# Altium PCB MB1292.PcbDoc (part 1 of 4) (continued)
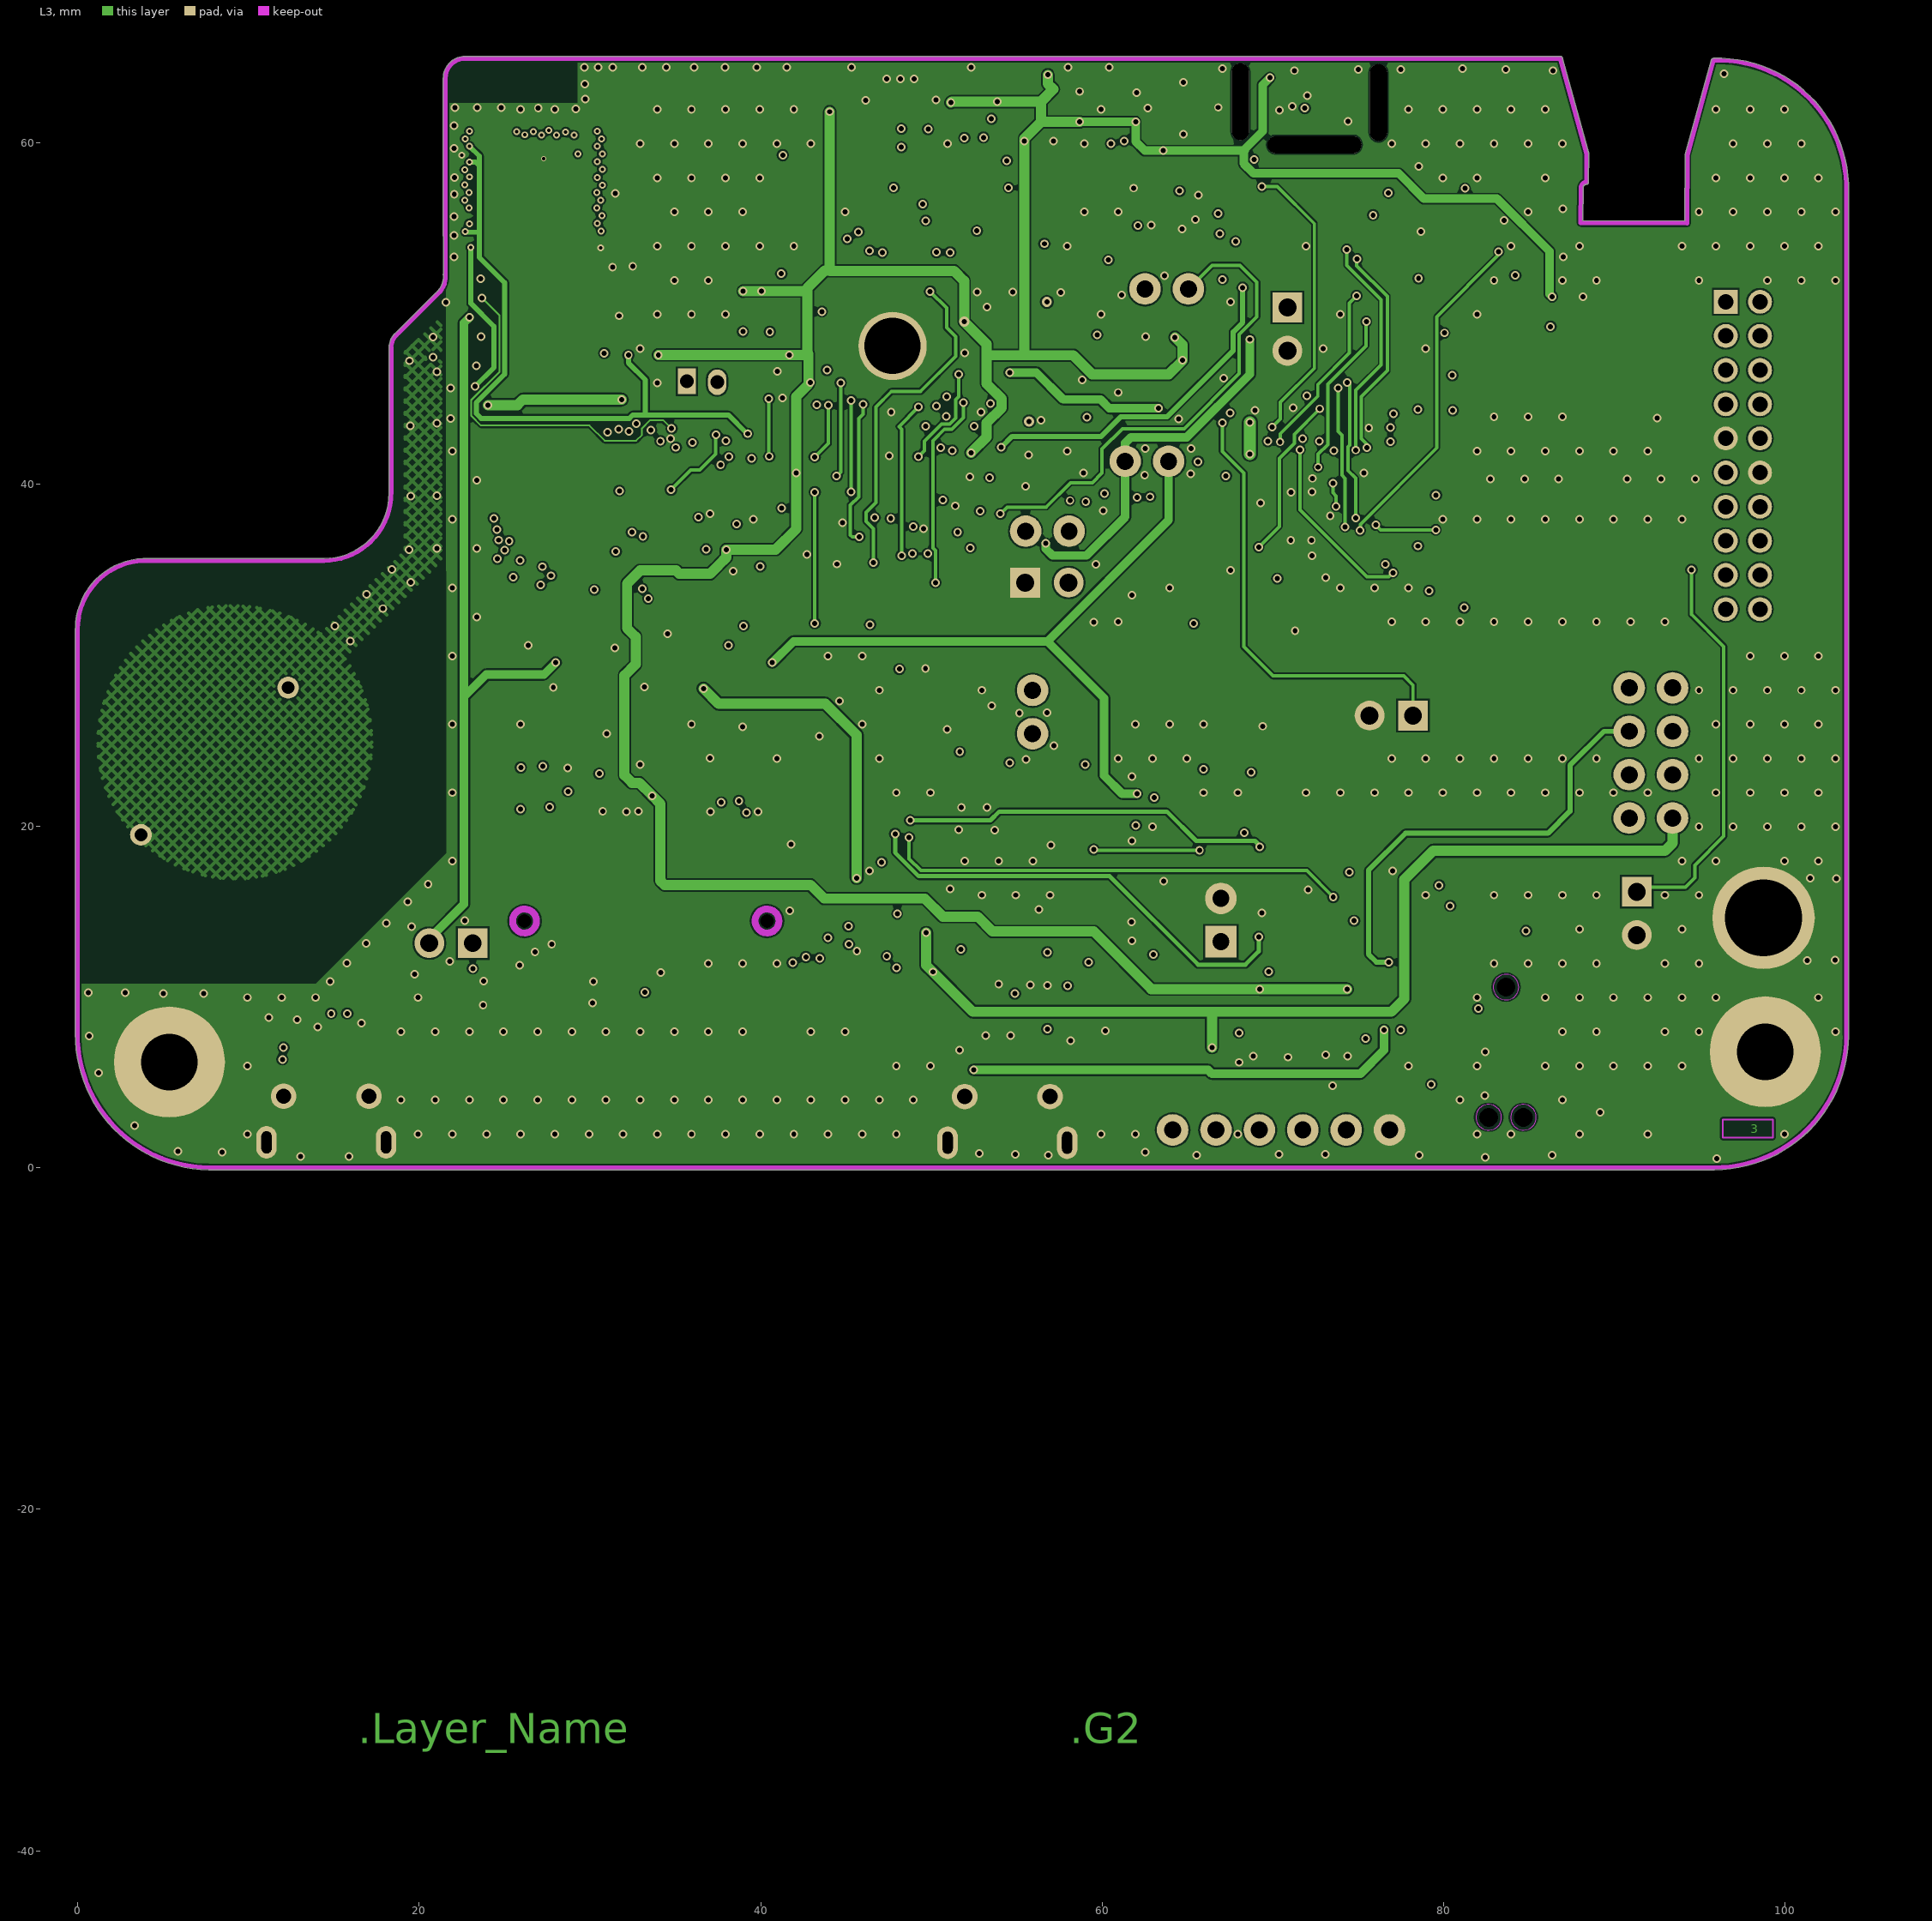
[diagram p3: L3]
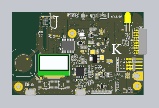
[diagram p7: 3D render of the assembled board from above, using the file's embedded part models]
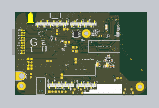
[diagram p8: 3D render of the assembled board from below, using the file's embedded part models]

## Layer stack, top to bottom
Top Solder: solder mask 0.015, Solder Resist, Dk 3.5
L1: signal copper 0.035
Dielectric 1: core 0.07, FR-4, Dk 4.2
L2: signal copper 0.036
Dielectric 3: prepreg 1.23, Dk 4.2
L3: signal copper 0.036
Dielectric 2: core 0.07, Dk 4.2
L4: signal copper 0.035
Bottom Solder: solder mask 0.015, Solder Resist, Dk 3.5

## Board outline
-0.128,7.874 cw(c0,7.889) -0.128,7.889 -0.128,31.541 cw(c0,31.541) -0.117,31.594 cw(c4.01,31.54) 4.185,35.663 14.427,35.663 cw(c14.427,35.536) 14.463,35.658 ccw(c14.416,39.48) 18.239,39.48 cw(c18.366,39.48) 18.241,39.505 18.241,48.027 cw(c18.369,48.027) 18.241,48.029 cw(c19.404,48.01) 18.712,48.944 20.981,51.214 cw(c21.071,51.124) 20.989,51.221 ccw(c20.189,52.162) 21.421,52.069 21.421,52.255 ccw(c20.189,52.162) 21.419,52.273 cw(c21.546,52.284) 21.421,52.307 21.421,54.547 cw(c21.548,54.563) 21.42,54.563 21.42,63.802 cw(c21.548,63.802) 21.421,63.82 cw(c22.682,63.795) 22.673,65.057 cw(c22.689,64.93) 22.689,65.058 86.833,65.058 cw(c86.833,64.93) 86.961,64.93 cw(c86.833,64.93) 86.96,64.91 88.468,59.472 cw(c88.361,59.401) 88.489,59.401 cw(c88.361,59.401) 88.489,59.4 88.489,59.395 cw(c88.365,59.363) 88.493,59.363 cw(c88.365,59.363) 88.489,59.33 88.48,57.697 cw(c88.352,57.698) 88.339,57.57 ccw(c88.35,57.382) 88.162,57.395 cw(c88.034,57.384) 88.162,57.384 cw(c88.034,57.384) 88.162,57.382 88.138,55.439 94.127,55.419 94.142,59.306 cw(c94.27,59.305) 94.147,59.34 95.677,64.856 cw(c95.8,64.822) 95.709,64.912 cw(c95.801,64.824) 95.796,64.951 cw(c96.068,57.318) 103.701,57.607 cw(c103.574,57.586) 103.702,57.586 103.702,7.729 cw(c103.574,7.729) 103.701,7.713 cw(c95.839,7.734) 95.85,-0.127 cw(c95.834,0) 95.834,-0.128 7.706,-0.128 cw(c7.706,0) 7.688,-0.127 cw(c7.798,7.797)

## Design rules (kind name [scope] priority, off if disabled: settings)
Clearance [All] p1: gap=0.1 ignorepadtopadclearanceinfootprint=FALSE
ComponentClearance [All] p1: gap=0.2 collisioncheckmode=3 verticalgap=0.2 showdistances=FALSE
DiffPairsRouting [All] p1: maxlimit=0.1 minlimit=0.1 mostfreqgap=0.1 substack1={2ADB4202-F3BE-4CB7-8FF7-9CB8365D755D} toplayer_{2adb4202-f3be-4cb7-8ff7-9cb8365d755d}_minwidth=0.381 toplayer_{2adb4202-f3be-4cb7-8ff7-9cb8365d755d}_maxwidth=0.381 toplayer_{2adb4202-f3be-4cb7-8ff7-9cb8365d755d}_prefwidth=0.381 midlayer1_{2adb4202-f3be-4cb7-8ff7-9cb8365d755d}_minwidth=0.381 midlayer1_{2adb4202-f3be-4cb7-8ff7-9cb8365d755d}_maxwidth=0.381 midlayer1_{2adb4202-f3be-4cb7-8ff7-9cb8365d755d}_prefwidth=0.381 midlayer2_{2adb4202-f3be-4cb7-8ff7-9cb8365d755d}_minwidth=0.381 midlayer2_{2adb4202-f3be-4cb7-8ff7-9cb8365d755d}_maxwidth=0.381 midlayer2_{2adb4202-f3be-4cb7-8ff7-9cb8365d755d}_prefwidth=0.381 bottomlayer_{2adb4202-f3be-4cb7-8ff7-9cb8365d755d}_minwidth=0.381 bottomlayer_{2adb4202-f3be-4cb7-8ff7-9cb8365d755d}_maxwidth=0.381 bottomlayer_{2adb4202-f3be-4cb7-8ff7-9cb8365d755d}_prefwidth=0.381 toplayer_minwidth=0.12 toplayer_maxwidth=0.12 toplayer_prefwidth=0.12 midlayer1_minwidth=0.12 midlayer1_maxwidth=0.12 midlayer1_prefwidth=0.12 midlayer2_minwidth=0.12 midlayer2_maxwidth=0.12 midlayer2_prefwidth=0.12 bottomlayer_minwidth=0.12 bottomlayer_maxwidth=0.12 bottomlayer_prefwidth=0.12 substack2={CF501492-65DB-46F5-A4C6-9BC82C8B0C8E} toplayer_{cf501492-65db-46f5-a4c6-9bc82c8b0c8e}_minwidth=0.381 toplayer_{cf501492-65db-46f5-a4c6-9bc82c8b0c8e}_maxwidth=0.381 toplayer_{cf501492-65db-46f5-a4c6-9bc82c8b0c8e}_prefwidth=0.381 midlayer1_{cf501492-65db-46f5-a4c6-9bc82c8b0c8e}_minwidth=0.381 midlayer1_{cf501492-65db-46f5-a4c6-9bc82c8b0c8e}_maxwidth=0.381 midlayer1_{cf501492-65db-46f5-a4c6-9bc82c8b0c8e}_prefwidth=0.381 midlayer2_{cf501492-65db-46f5-a4c6-9bc82c8b0c8e}_minwidth=0.381 midlayer2_{cf501492-65db-46f5-a4c6-9bc82c8b0c8e}_maxwidth=0.381 midlayer2_{cf501492-65db-46f5-a4c6-9bc82c8b0c8e}_prefwidth=0.381 bottomlayer_{cf501492-65db-46f5-a4c6-9bc82c8b0c8e}_minwidth=0.381 bottomlayer_{cf501492-65db-46f5-a4c6-9bc82c8b0c8e}_maxwidth=0.381 bottomlayer_{cf501492-65db-46f5-a4c6-9bc82c8b0c8e}_prefwidth=0.381 substack3={FF1CA205-9B6F-49DA-B112-41FA7F36E0C2} toplayer_{ff1ca205-9b6f-49da-b112-41fa7f36e0c2}_minwidth=0.381 toplayer_{ff1ca205-9b6f-49da-b112-41fa7f36e0c2}_maxwidth=0.381 toplayer_{ff1ca205-9b6f-49da-b112-41fa7f36e0c2}_prefwidth=0.381 midlayer1_{ff1ca205-9b6f-49da-b112-41fa7f36e0c2}_minwidth=0.381 midlayer1_{ff1ca205-9b6f-49da-b112-41fa7f36e0c2}_maxwidth=0.381 midlayer1_{ff1ca205-9b6f-49da-b112-41fa7f36e0c2}_prefwidth=0.381 midlayer2_{ff1ca205-9b6f-49da-b112-41fa7f36e0c2}_minwidth=0.381 midlayer2_{ff1ca205-9b6f-49da-b112-41fa7f36e0c2}_maxwidth=0.381 midlayer2_{ff1ca205-9b6f-49da-b112-41fa7f36e0c2}_prefwidth=0.381 bottomlayer_{ff1ca205-9b6f-49da-b112-41fa7f36e0c2}_minwidth=0.381 bottomlayer_{ff1ca205-9b6f-49da-b112-41fa7f36e0c2}_maxwidth=0.381 bottomlayer_{ff1ca205-9b6f-49da-b112-41fa7f36e0c2}_prefwidth=0.381 substack4={4738C836-5CFE-4456-A7F7-B94C0B689EA7} toplayer_{4738c836-5cfe-4456-a7f7-b94c0b689ea7}_minwidth=0.381 toplayer_{4738c836-5cfe-4456-a7f7-b94c0b689ea7}_maxwidth=0.381 toplayer_{4738c836-5cfe-4456-a7f7-b94c0b689ea7}_prefwidth=0.381 midlayer1_{4738c836-5cfe-4456-a7f7-b94c0b689ea7}_minwidth=0.381 midlayer1_{4738c836-5cfe-4456-a7f7-b94c0b689ea7}_maxwidth=0.381 midlayer1_{4738c836-5cfe-4456-a7f7-b94c0b689ea7}_prefwidth=0.381 midlayer2_{4738c836-5cfe-4456-a7f7-b94c0b689ea7}_minwidth=0.381 midlayer2_{4738c836-5cfe-4456-a7f7-b94c0b689ea7}_maxwidth=0.381 midlayer2_{4738c836-5cfe-4456-a7f7-b94c0b689ea7}_prefwidth=0.381 bottomlayer_{4738c836-5cfe-4456-a7f7-b94c0b689ea7}_minwidth=0.381 bottomlayer_{4738c836-5cfe-4456-a7f7-b94c0b689ea7}_maxwidth=0.381 bottomlayer_{4738c836-5cfe-4456-a7f7-b94c0b689ea7}_prefwidth=0.381 substack5={F97D49E6-8A1D-45C2-B7C4-865E22F1F751} toplayer_{f97d49e6-8a1d-45c2-b7c4-865e22f1f751}_minwidth=0.381 toplayer_{f97d49e6-8a1d-45c2-b7c4-865e22f1f751}_maxwidth=0.381 toplayer_{f97d49e6-8a1d-45c2-b7c4-865e22f1f751}_prefwidth=0.381 midlayer1_{f97d49e6-8a1d-45c2-b7c4-865e22f1f751}_minwidth=0.381 midlayer1_{f97d49e6-8a1d-45c2-b7c4-865e22f1f751}_maxwidth=0.381 midlayer1_{f97d49e6-8a1d-45c2-b7c4-865e22f1f751}_prefwidth=0.381 midlayer2_{f97d49e6-8a1d-45c2-b7c4-865e22f1f751}_minwidth=0.381 midlayer2_{f97d49e6-8a1d-45c2-b7c4-865e22f1f751}_maxwidth=0.381 midlayer2_{f97d49e6-8a1d-45c2-b7c4-865e22f1f751}_prefwidth=0.381 bottomlayer_{f97d49e6-8a1d-45c2-b7c4-865e22f1f751}_minwidth=0.381 bottomlayer_{f97d49e6-8a1d-45c2-b7c4-865e22f1f751}_maxwidth=0.381 bottomlayer_{f97d49e6-8a1d-45c2-b7c4-865e22f1f751}_prefwidth=0.381 maxuncoupledlength=12.7
HoleSize [All] p1: absolutevalues=TRUE maxlimit=10 minlimit=0.025 maxpercent=80.000 minpercent=20.000
MinimumSolderMaskSliver [All] p1: minsoldermaskwidth=0.1
PlaneConnect [All] p1: planeconnectstyle=Relief reliefexpansion=0.508 reliefentries=4 reliefconductorwidth=0.21 reliefairgap=0.21
PolygonConnect PolygonConnect_via [IsVia] p1: connectstyle=Direct reliefconductorwidth=0.254 reliefentries=4 polygonreliefangle="90 Angle" airgapwidth=0.254
PolygonConnect [All] p2: connectstyle=Direct reliefconductorwidth=0.2 reliefentries=4 polygonreliefangle="90 Angle" airgapwidth=0.2
RoutingVias [All] p1: holewidth=0.3 width=0.5 viastyle="Through Hole" minholewidth=0.1 minwidth=0.2 maxholewidth=0.5 maxwidth=0.5
SilkToSilkClearance [All] p1: silktosilkclearance=0.2
SilkToSolderMaskClearance [IsPad] p1: minsilkscreentomaskgap=0.2 clearancetoexposedcopper=TRUE
SolderMaskExpansion [All] p1: expansion=0.102 istentingtop=FALSE
Width [All] p1: maxlimit=2 minlimit=0.1 preferedwidth=0.2 substack1={2ADB4202-F3BE-4CB7-8FF7-9CB8365D755D} substack2={CF501492-65DB-46F5-A4C6-9BC82C8B0C8E} substack3={FF1CA205-9B6F-49DA-B112-41FA7F36E0C2} substack4={4738C836-5CFE-4456-A7F7-B94C0B689EA7} substack5={F97D49E6-8A1D-45C2-B7C4-865E22F1F751} minimp=50.000000 maximp=50.000000 favimp=50.000000
23 further rules are at their usual default settings.

## Classes and differential pairs
component class Project_Overview: HW5 HW6 HW7
component class U_ST-LINK_V2-1: C33 C34 C35 C37 C38 C39 C40 C41 CN7 CN9 CN10 CN11 D1 JP3 LD3 R9 R17 R18 R19 R20 R21 R22 R23 R25 R26 R27 R28 R29 R30 R31 R32 R33 R34 R35 R36 R50 R55 R56 R57 R58 SB12 T1 U15 U16 U17 X1
component class U_Power_management: C13 C14 C15 C16 C17 C18 C19 C20 C21 C22 C23 C24 C25 C26 C27 C28 C29 C30 C31 C32 CN8 D5 D6 D7 JP1 JP2 LD1 LD2 R14 R15 R16 SB1 SB2 SB3 SB4 SB5 SB6 SB10 SB11 U9 U10 U11 U12 U13
component class U_MEMS: C3 C4 C5 C6 C7 C8 C9 C10 C11 C52 DIO1 R8 R10 R45 R46 R47 R49 U4 U5 U6 U7 U8
component class U_MCU_Display: C46 C47 C48 C49 C50 C51 C54 C55 C56 CN16 R43 U1 U19
component class U_LEDs_Buttons: B1 B2 B3 C12 C36 C42 C43 C44 C45 C53 D2 D3 HW1 HW2 JP4 JP5 LD4 LDIR1 Q1 R11 R12 R13 R37 R38 R39 R40 R41 R48 R51 TS1 U18 U20 U21
component class U_Connectors: C1 C2 CN1 CN2 CN3 CN4 CN5 CN6 CN12 CN13 CN14 CN15 R1 R2 R3 R4 R5 R6 R7 R24 R44 R52 R53 R54 U2 U3 U14
differential pair USB: +USB_P -USB_N
differential pair USB_STLK: +USB_STLK_P -USB_STLK_N

## Components (designator, comment, footprint, x,y, rotation, side; value= is the part's Value field where it differs from the comment)
B1 "SW-PUSH-CMS" SWI_WEALTHMETAL_TD-0341_4P_BLUE 26.945,8.007 r270 top value=SWITCH
B2 "SW-PUSH-CMS" SWI_WEALTHMETAL_TD-0341_4P_BLUE 39.722,8.007 r270 top value=SWITCH
B3 "SW-PUSH-CMS_KMR_NG" SWI_C&K_KMR721NG-LFS 92.547,2.795 r0 top value=KMR7
C1 "Capacitor" C0603 71.787,43.822 r270 bottom value=100nF
C2 "Capacitor" C0603_H0P8 11.226,7.629 r90 top value=100pF
C3 "Capacitor" C0603_H0P8 69.794,62.641 r90 top value=2.2uF
C4 "Capacitor" C0402 71.128,62.949 r90 top value=100nF
C5 "Capacitor" C0402 56.299,60.1 r180 top value=100nF
C6 "Capacitor" C0402 58.676,62.106 r270 top value=100nF
C7 "Capacitor" C0402 45.185,63.311 r270 top value=100nF
C8 "Capacitor" C0603 44.033,62.996 r270 top value=4.7uF
C9 "Capacitor" C0402 61.982,62.079 r270 top value=100nF
C10 "Capacitor" C0402 38.45,35.789 r90 top value=100nF
C11 "Capacitor" C0603_H0P8 41.822,46.048 r0 top value=100pF
C12 "Capacitor" C0402 63.424,48.639 r0 top value=100nF
C13 "Cap_POL_TANA" CPOL_TAJ-B_1210_H210 63.878,33.568 r180 top value=10uF
C14 "Cap_POL_TANA" CPOL_TAJ-B_1210_H210 71.32,29.253 r90 top value=10uF
C15 "Capacitor" C0805_H0P85 67.485,33.542 r270 top value=100nF
C16 "Capacitor" C0805_H0P85 71.678,34.473 r180 top value=1uF
C17 "Capacitor" C0201_H0P3 71.604,35.827 r180 top value=100nF
C18 "Capacitor" C0805_H0P85 68.563,39.711 r90 top value=1uF
C19 "Capacitor" C0201_H0P3 71.642,40.352 r180 top value=100nF
C20 "Capacitor" C0603_H0P8 75.867,17.363 r180 top value=4.7uF
C21 "Capacitor" C0805_H0P85 69.339,16.358 r90 top value=100nF
C22 "Capacitor" C0603 30.273,30.435 r0 bottom value=1uF
C23 "Capacitor" C0603 32.889,27.006 r270 bottom value=10nF
C24 "Capacitor" C0603 27.809,27.006 r270 bottom value=2.2uF
C25 "Capacitor" C0201_H0P3 23.627,59.487 r90 bottom value=100nF
C26 "Capacitor" C0402 68.01,7.027 r90 top value=1uF
C27 "Capacitor" C0402 73.522,7.053 r90 top value=1uF
C28 "Capacitor" C0201_H0P3 74.36,7.18 r90 top value=100nF
C29 "Capacitor" C0201_H0P3 68.849,7.18 r90 top value=100nF
C30 "Capacitor" C0201_H0P3 73.522,5.402 r90 top value=100nF
C31 "Capacitor" C0201_H0P3 22.809,53.486 r0 bottom value=100nF
C32 "Capacitor" C0201_H0P3 31.372,53.405 r270 top value=100nF
C33 "Capacitor" C0402 63.623,17.837 r270 top value=10pF
C34 "Capacitor" C0402 63.598,15.703 r90 top value=10pF
C35 "Capacitor" C0402 60.873,19.132 r180 top value=100nF
C36 "Capacitor" C0402 87.314,51.006 r180 top value=100nF
C37 "Capacitor" C0402 60.88,20.961 r180 top value=100nF
C38 "Capacitor" C0402 50.923,24.771 r270 top value=100nF
C39 "Capacitor" C0402 48.459,15.304 r270 top value=100nF
C40 "Capacitor" C0402 57.486,12.101 r90 top value=100nF
C41 "Capacitor" C0603_H0P8 51.736,6.584 r90 top value=100pF
C42 "Capacitor" C0402 52.779,49.79 r180 top value=100nF
C43 "Capacitor" C1206_H1P6 31.931,53.303 r90 bottom value=100nF
C44 "Capacitor" C0402 89.169,4.43 r270 top value=100nF
C45 "Capacitor" C0805_KEMET_IPC-7351_DENSITY-LEVEL-B_H1P25 22.585,51.566 r270 bottom value=47nF
C46 "Capacitor" C0603 25.929,22.231 r270 bottom value=1uF
C47 "Capacitor" C0603 27.301,22.231 r90 bottom value=1uF
C48 "Cap_POL_TANA" CPOL_TAJ-A_1206_H180 31.035,23.374 r90 bottom value=4.7uF
C49 "Capacitor" C0603 32.914,22.459 r90 bottom value=1uF
C50 "Capacitor" C0603 28.723,22.231 r90 bottom value=1uF
C51 "Cap_POL_TANA" CPOL_TAJ-A_1206_H180 38.96,23.729 r90 bottom value=4.7uF
C52 "Capacitor" C0402 42.089,44.956 r0 top value=100nF
C53 "Capacitor" C0402 51.813,40.868 r90 top value=100nF
C54 "Capacitor" C0201_H0P3 31.466,60.237 r0 top value=3.3pF
C55 "Capacitor" C0201_H0P3 31.461,61.715 r180 top value=3.3pF
C56 "Capacitor" C0201_H0P3 31.461,60.967 r180 top value=3.3pF
CN1 "Socket 10x1" CON_SAMTEC_SSW-110-22-X-S-VS 74.577,55.665 r180 bottom locked
CN2 "Socket 8x1" CON_SAMTEC_SSW-108-22-X-S-VS 67.973,7.405 r0 bottom locked
CN3 "Socket 6x1" CON_SAMTEC_SSW-106-22-X-S-VS 47.653,7.405 r0 bottom locked
CN4 "Socket 8x1" CON_SAMTEC_SSW-108-22-X-S-VS 50.193,55.665 r180 bottom locked
CN5 "Socket 10X2 STMod+" CON_SAMTEC_SQT-110-01-F-D-RA__STMOD+ 97.518,41.697 r90 top value="Socket 10X2"
CN6 "USB_uB_105017.0001" CON_USBMICROB_MOLEX_105017-0001_H2P90 14.566,0.029 r0 top value=USB_uB_105017-0001
CN7 "Tag-10-C" CON_TAG-C_TC2050-IDC-NL 83.649,6.757 r270 top value=TC2050-IDC-NL
CN8 "Header 2x1" CON_LYCONN_313102S141346 56.766,34.254 r0 top
CN9 "Header 6x1" CON_SAMTEC_TSW-106-14-G-S 70.476,2.207 r180 top
CN10 "Header 2x1" CON_SAMTEC_TSW-102-07-G-S#1 55.927,26.676 r270 top
CN11 "USB_uB_105017.0001" CON_USBMICROB_MOLEX_105017-0001_H2P90 54.449,0.007 r0 top value=USB_uB_105017-0001
CN12 "Header 2x1" CON_LYCONN_313102S141346 70.846,49.097 r270 top
CN13 "Header 2x1" CON_LYCONN_313102S141346 21.872,13.141 r180 top
CN14 "Header 2x1" CON_LYCONN_313102S141346 76.93,26.468 r180 top
CN15 "Header 2x1" CON_LYCONN_313102S141346 91.307,14.883 r270 top
CN16 "Jumper_Header1.27 2x1 Fitted" CON_WP_707-2-02-2-20-00 36.793,45.564 r0 top value="Header 2x1"
D1 "BAT60JFILM" DIO_SOD323 50.491,11.487 r0 top
D2 "DIODE_1K_2A" DIO_SOD323_1K_2A 23.867,48.713 r90 top value=BAS70JFILM
D3 "DIODE_1K_2A" DIO_SOD323_1K_2A 22.057,48.716 r90 top value=BAS70JFILM
D5 "BAT60JFILM" DIO_SOD323 66.4,21.826 r270 top
D6 "BAT60JFILM" DIO_SOD323 68.301,21.826 r270 top
D7 "BAT60JFILM" DIO_SOD323 70.202,21.826 r270 top
Designator1 "Comment" Sheetbox_4L2S 7.427,-45.992 r0 top
HW6 "STICKER_PRODUCT" STICKER_PRODUCT_25X9 33.643,37.894 r180 bottom value="Sticker product"
HW7 "STICKER_BOARD" STICKER_BOARD_25X9 53.148,19.723 r180 bottom value="Sticker board"
JP1 "Jumper_Header 2x1 Fitted" CON_SAMTEC_TSW-102-07-G-S#1 62.619,41.355 r180 top value="Header 2x1"
JP2 "Header 4x2" CON_SAMTEC_TSW-104-08-F-D-RA 92.13,24.276 r90 top value=header_4x2_RA
JP3 "Jumper_Header 2x1 Fitted" CON_SAMTEC_TSW-102-07-G-S#2 66.951,14.493 r90 top value="Header 2x1"
JP4 "Jumper_Header 2x1 Fitted" CON_SAMTEC_TSW-102-07-G-S#1 63.777,51.447 r180 top value="Header 2x1"
JP5 "Jumper_Header 2x1 Fitted" CON_SAMTEC_TSW-102-07-G-S#1 56.793,37.264 r180 top value="Header 2x1"
LD1 "LED_red" LED_0603_RED_H0P4 72.348,13.959 r180 top value=RED
LD2 "LED_green" LED_0603_OSRAM_LG-Q396-PS-35_GREEN_1A2K_H0P4 61.378,38.468 r180 top value=GREEN
LD3 "LD_BICOLOR_CMS" LED_BI-GR_HSMF-A201-A00J1 48.854,28.608 r180 top value="Bi-color Red/Green,"
LD4 "LED_RGB" LED_TRI-RGB_WURTH_150141M173100 55.37,47.377 r180 top value=150141M173100
LDIR1 "TSHF5210" LED_INFRARED_VISHAY_TSHF5210_IN-MODE-SMT_BOARD-EDGE_1A2K_P254 91.566,59.29 r0 top
Q1 "9013-SOT23" NPN_SOT23 91.408,45.371 r0 top value=BC817-25
R1 "Resistor" R0402 77.477,10.88 r90 top value=1K
R2 "Resistor" R0402 51.58,42.992 r90 bottom value=47R
R3 "Resistor" R0402 75.006,45.277 r0 bottom value=47R
R4 "Resistor" R0402 75.017,44.132 r0 bottom value=47R
R5 "Resistor" R0402 50.533,42.988 r90 bottom value=47R
R6 "Resistor" R0402 69.753,44.333 r180 top value=10K
R7 "Resistor" R0402 16.658,7.55 r270 top value=100K
R8 "Resistor" R0402 64.765,59.54 r180 top value=10K
R9 "Resistor" R0402 64.507,4.34 r180 top value=10R
R10 "Resistor" R0402 51.172,63.147 r90 top value=10K
R11 "Resistor" R0603 92.146,48.077 r180 top value=20R
R12 "Resistor" R0402 66.15,47.078 r270 top value=1K
R13 "Resistor" R0402 67.135,47.074 r90 top value=10K
R14 "Resistor" R0603 75.892,14.137 r180 top value=1K
R15 "Resistor" R0603 75.892,15.864 r0 top value=10K
R16 "Resistor" R0603 65.211,38.442 r0 top value=270R
R17 "Resistor" R0402 53.798,11.588 r90 top value=4K7
R18 "Resistor" R0402 52.807,11.588 r270 top value=2K7
R19 "Resistor" R0402 55.805,11.588 r90 top value=100K
R20 "Resistor" R0402 54.789,11.588 r270 top value=0R
R21 "Resistor" R0402 60.862,13.29 r0 top value=10K
R22 "Resistor" R0402 60.862,14.357 r180 top value=10K
R23 "Resistor" R0402 60.88,20.046 r0 top value=100K
R24 "Resistor" R0603 38.963,50.164 r90 bottom value=4K7
R25 "Resistor" R0402 47.858,20.376 r90 top value=100R
R26 "Resistor" R0402 60.88,21.875 r180 top value=4K7
R27 "Resistor" R0402 60.88,22.891 r180 top value=4K7
R28 "Resistor" R0402 59.026,24.669 r90 top value=0R
R29 "Resistor" R0402 58.01,24.662 r270 top value=0R
R30 "Resistor" R0402 52.472,24.771 r270 top value=0R
R31 "Resistor" R0402 60.673,10.218 r90 top value=100R
R32 "Resistor" R0402 60.673,8.516 r90 top value=36K
R33 "Resistor" R0402 57.374,7.047 r90 top value=1K5
R34 "Resistor" R0402 49.501,25.05 r270 top value=330R
R35 "Resistor" R0402 48.51,25.05 r270 top value=330R
R36 "Resistor" R0402 58.591,7.061 r270 top value=100K
R37 "Resistor" R0603 57.529,44.634 r0 top value=130R
R38 "Resistor" R0603 55.867,49.892 r0 top value=75R
R39 "Resistor" R0603 55.065,44.609 r0 top value=75R
R40 "Resistor" R0603 22.708,46.588 r180 bottom value=4K7
R41 "Resistor" R0603 22.684,48.561 r180 bottom value=10K
R43 "Resistor" R0603 37.105,22.79 r270 bottom value=620K
R44 "Resistor" R0603 40.536,50.161 r90 bottom value=4K7
R45 "Resistor" R0603 42.393,48.281 r180 bottom value=2K2
R46 "Resistor" R0603 42.401,46.917 r180 bottom value=2K2
R47 "Resistor" R0402 51.177,61.468 r90 top value=10K
R48 "Resistor" R0402 61.659,48.661 r0 top value=10K
R49 "Resistor" R0402 48.166,31.779 r180 top value=10K